# KiCad board panel.kicad_pcb (continued)
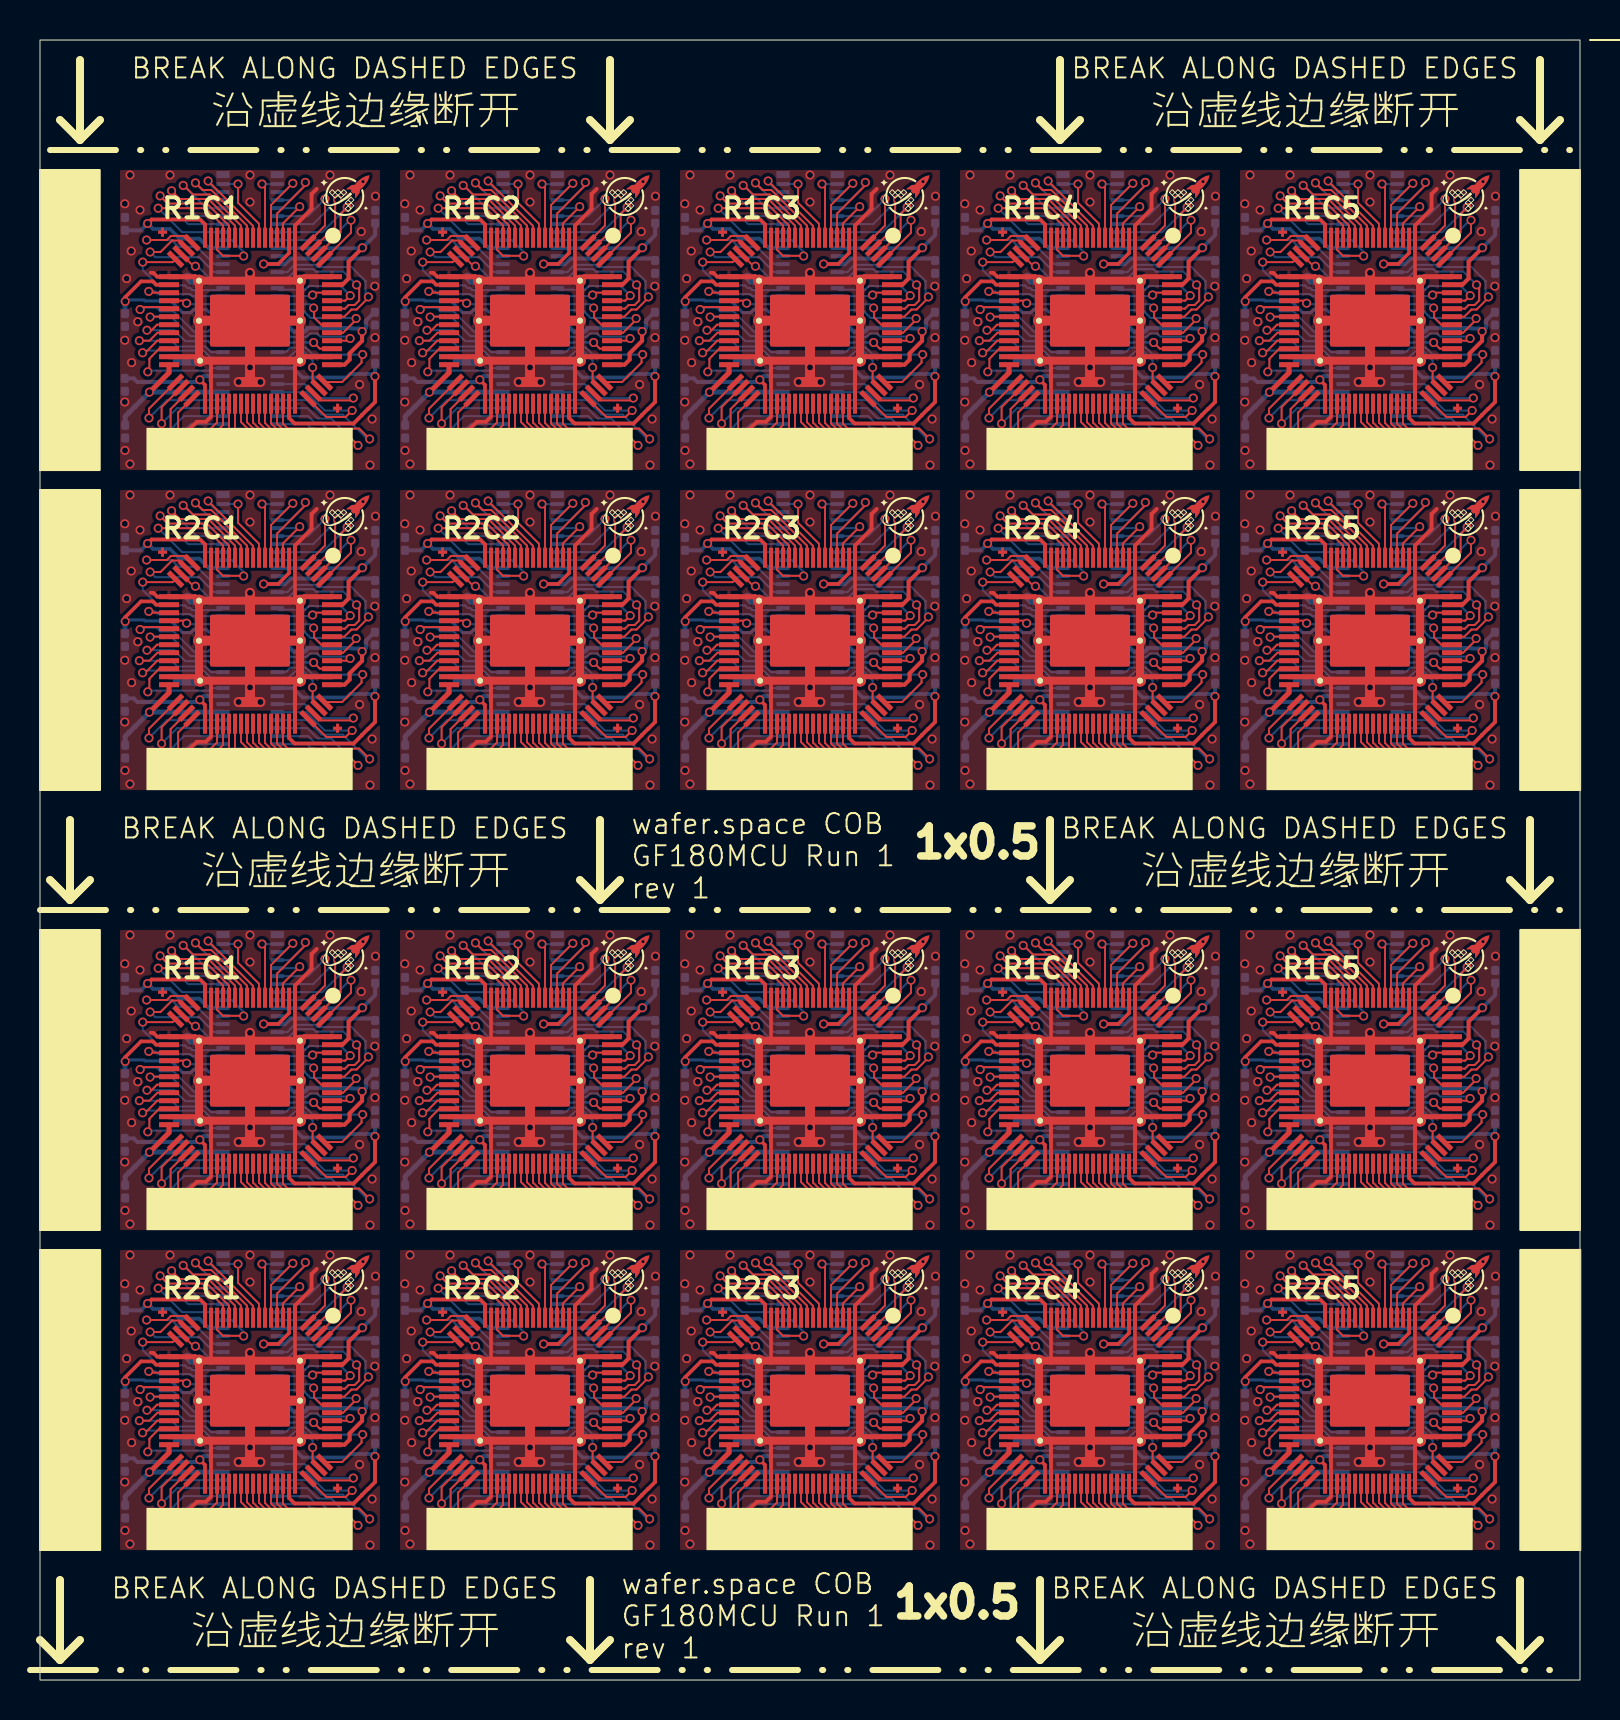
[diagram p0: board, top side]
## Nets (continued)
/bidir_44: U101.23 U101#2.23 U102.59 U102#2.59 U103.23 U103#2.23 U104.59 U104#2.59 U105.23 U105#2.23 U106.59 U106#2.59 U107.23 U107#2.23 U108.59 U108#2.59 U109.23 U109#2.23 U110.59 U110#2.59 U111.23 U111#2.23 U112.59 U112#2.59 U113.23 U113#2.23 U114.59 U114#2.59 U115.23 U115#2.23 U116.59 U116#2.59 U117.23 U117#2.23 U118.59 U118#2.59 U119.23 U119#2.23 U120.59 U120#2.59
/bidir_45: U101.22 U101#2.22 U102.60 U102#2.60 U103.22 U103#2.22 U104.60 U104#2.60 U105.22 U105#2.22 U106.60 U106#2.60 U107.22 U107#2.22 U108.60 U108#2.60 U109.22 U109#2.22 U110.60 U110#2.60 U111.22 U111#2.22 U112.60 U112#2.60 U113.22 U113#2.22 U114.60 U114#2.60 U115.22 U115#2.22 U116.60 U116#2.60 U117.22 U117#2.22 U118.60 U118#2.60 U119.22 U119#2.22 U120.60 U120#2.60
/clk: U101.8 U101#2.8 U102.1 U102#2.1 U103.8 U103#2.8 U104.1 U104#2.1 U105.8 U105#2.8 U106.1 U106#2.1 U107.8 U107#2.8 U108.1 U108#2.1 U109.8 U109#2.8 U110.1 U110#2.1 U111.8 U111#2.8 U112.1 U112#2.1 U113.8 U113#2.8 U114.1 U114#2.1 U115.8 U115#2.8 U116.1 U116#2.1 U117.8 U117#2.8 U118.1 U118#2.1 U119.8 U119#2.8 U120.1 U120#2.1
/in_0: U101.12 U101#2.12 U102.67 U102#2.67 U103.12 U103#2.12 U104.67 U104#2.67 U105.12 U105#2.12 U106.67 U106#2.67 U107.12 U107#2.12 U108.67 U108#2.67 U109.12 U109#2.12 U110.67 U110#2.67 U111.12 U111#2.12 U112.67 U112#2.67 U113.12 U113#2.12 U114.67 U114#2.67 U115.12 U115#2.12 U116.67 U116#2.67 U117.12 U117#2.12 U118.67 U118#2.67 U119.12 U119#2.12 U120.67 U120#2.67
/in_1: U101.13 U101#2.13 U102.68 U102#2.68 U103.13 U103#2.13 U104.68 U104#2.68 U105.13 U105#2.13 U106.68 U106#2.68 U107.13 U107#2.13 U108.68 U108#2.68 U109.13 U109#2.13 U110.68 U110#2.68 U111.13 U111#2.13 U112.68 U112#2.68 U113.13 U113#2.13 U114.68 U114#2.68 U115.13 U115#2.13 U116.68 U116#2.68 U117.13 U117#2.13 U118.68 U118#2.68 U119.13 U119#2.13 U120.68 U120#2.68
/in_2: U101.14 U101#2.14 U102.69 U102#2.69 U103.14 U103#2.14 U104.69 U104#2.69 U105.14 U105#2.14 U106.69 U106#2.69 U107.14 U107#2.14 U108.69 U108#2.69 U109.14 U109#2.14 U110.69 U110#2.69 U111.14 U111#2.14 U112.69 U112#2.69 U113.14 U113#2.14 U114.69 U114#2.69 U115.14 U115#2.14 U116.69 U116#2.69 U117.14 U117#2.14 U118.69 U118#2.69 U119.14 U119#2.14 U120.69 U120#2.69
/in_3: U101.15 U101#2.15 U102.70 U102#2.70 U103.15 U103#2.15 U104.70 U104#2.70 U105.15 U105#2.15 U106.70 U106#2.70 U107.15 U107#2.15 U108.70 U108#2.70 U109.15 U109#2.15 U110.70 U110#2.70 U111.15 U111#2.15 U112.70 U112#2.70 U113.15 U113#2.15 U114.70 U114#2.70 U115.15 U115#2.15 U116.70 U116#2.70 U117.15 U117#2.15 U118.70 U118#2.70 U119.15 U119#2.15 U120.70 U120#2.70
/rst_n: U101.7 U101#2.7 U102.2 U102#2.2 U103.7 U103#2.7 U104.2 U104#2.2 U105.7 U105#2.7 U106.2 U106#2.2 U107.7 U107#2.7 U108.2 U108#2.2 U109.7 U109#2.7 U110.2 U110#2.2 U111.7 U111#2.7 U112.2 U112#2.2 U113.7 U113#2.7 U114.2 U114#2.2 U115.7 U115#2.7 U116.2 U116#2.2 U117.7 U117#2.7 U118.2 U118#2.2 U119.7 U119#2.7 U120.2 U120#2.2
PWR_AUX_0: C105.1 C105#2.1 C113.1 C113#2.1 C121.1 C121#2.1 C129.1 C129#2.1 C137.1 C137#2.1 C145.1 C145#2.1 C153.1 C153#2.1 C161.1 C161#2.1 C169.1 C169#2.1 C177.1 C177#2.1 U101.54 U101#2.54 U102.26 U102#2.26 U103.54 U103#2.54 U104.26 U104#2.26 U105.54 U105#2.54 U106.26 U106#2.26 U107.54 U107#2.54 U108.26 U108#2.26 U109.54 U109#2.54 U110.26 U110#2.26 U111.54 U111#2.54 U112.26 U112#2.26 U113.54 U113#2.54 U114.26 U114#2.26 U115.54 U115#2.54 U116.26 U116#2.26 U117.54 U117#2.54 U118.26 U118#2.26 U119.54 U119#2.54 U120.26 U120#2.26
PWR_AUX_1: C106.1 C106#2.1 C114.1 C114#2.1 C122.1 C122#2.1 C130.1 C130#2.1 C138.1 C138#2.1 C146.1 C146#2.1 C154.1 C154#2.1 C162.1 C162#2.1 C170.1 C170#2.1 C178.1 C178#2.1 U101.19 U101#2.19 U102.61 U102#2.61 U103.19 U103#2.19 U104.61 U104#2.61 U105.19 U105#2.19 U106.61 U106#2.61 U107.19 U107#2.19 U108.61 U108#2.61 U109.19 U109#2.19 U110.61 U110#2.61 U111.19 U111#2.19 U112.61 U112#2.61 U113.19 U113#2.19 U114.61 U114#2.61 U115.19 U115#2.19 U116.61 U116#2.61 U117.19 U117#2.19 U118.61 U118#2.61 U119.19 U119#2.19 U120.61 U120#2.61

## Via types
v1: diameter 0.45, hole 0.3, Top to Bottom, 1880 vias

## Routing (per net, layer and track width the routed paths; a pad name or vN(x,y) marks a point on that pad's centre or on a via; arc(x,y) is an arc through that point)
GND: length 1105.2
  Top w0.18: U104.75 26.75,70.22 U104.5 ; U110#2.25 61.87,32.17 61.86,32.16 61.67,32.36 61.53,32.36 ; U108#2.75 54.75,70.22 U108#2.5 ; 26.75,56.11 26.75,54.22 U114.75 ; 64.55,18.11 64.55,16 ; U112#2.75 12.75,16.22 12.75,18.11 ; 68.75,34.11 68.75,32.22 U110#2.75 ; 26.75,34.11 26.75,32.22 U104#2.75 ; 61.53,54.36 61.67,54.36 61.86,54.16 61.87,54.17 U120#2.25 ; U104.25 19.87,70.16 19.86,70.16 19.67,70.36 19.53,70.36 ; U106.25 33.87,70.16 33.86,70.16 33.67,70.36 33.53,70.36 ; U102#2.75 12.75,70.22 U102#2.5 ; U104#2.25 19.87,32.17 19.86,32.16 19.67,32.36 19.53,32.36 ; 40.75,56.11 40.75,54.22 U116.75 ; 12.75,56.11 12.75,54.22 U112.75 ; 36.55,56.11 36.55,54 ; 5.53,32.36 5.67,32.36 5.86,32.16 5.87,32.17 U102.25 ; 47.53,16.36 47.67,16.36 47.86,16.16 47.87,16.17 U118#2.25 ; U118.25 47.87,54.17 47.86,54.16 47.67,54.36 47.53,54.36 ; 61.53,16.36 61.67,16.36 61.86,16.16 61.87,16.17 U120.25 ; 22.55,56.11 22.55,54 ; 61.53,70.36 61.67,70.36 61.86,70.16 61.87,70.16 U110.25 ; 8.55,34.11 8.55,32 ; U116.25 33.87,54.17 33.86,54.16 33.67,54.36 33.53,54.36 ; U110.75 68.75,70.22 U110.5 ; U106.5 40.75,70.22 U106.75 ; 19.53,54.36 19.67,54.36 19.86,54.16 19.87,54.17 U114.25 ; 12.75,34.11 12.75,32.22 U102.75 ; 50.55,34.11 50.55,32 ; 36.55,34.11 36.55,32 ; U116#2.75 40.75,16.22 40.75,18.11 ; 22.55,34.11 22.55,32 ; U102#2.19 8.55,70 ; U108#2.19 50.55,70 ; 33.53,16.36 33.67,16.36 33.86,16.16 33.87,16.17 U116#2.25 ; U110.19 64.55,70 ; 19.53,16.36 19.67,16.36 19.86,16.16 19.87,16.17 U114#2.25 ; 36.55,18.11 36.55,16 ; U106#2.25 33.87,32.17 33.86,32.16 33.67,32.36 33.53,32.36 ; U106.19 36.55,70 ; 40.75,34.11 40.75,32.22 U106#2.75 ; 54.75,34.11 54.75,32.22 U108.75 ; 50.55,56.11 50.55,54 ; 47.53,70.36 47.67,70.36 47.86,70.16 47.87,70.16 U108#2.25 ; U108.25 47.87,32.17 47.86,32.16 47.67,32.36 47.53,32.36 ; U120#2.75 68.75,54.22 68.75,56.11 ; U120.75 68.75,16.22 68.75,18.11 ; 5.53,54.36 5.67,54.36 5.86,54.16 5.87,54.17 U112.25 ; U118.75 54.75,54.22 54.75,56.11 ; 5.53,16.36 5.67,16.36 5.86,16.16 5.87,16.17 U112#2.25 ; 8.55,18.11 8.55,16 ; 54.75,18.11 54.75,16.22 U118#2.75 ; 26.75,18.11 26.75,16.22 U114#2.75 ; U102#2.25 5.87,70.16 5.86,70.16 5.67,70.36 5.53,70.36 ; 50.55,18.11 50.55,16 ; 8.55,56.11 8.55,54 ; 22.55,18.11 22.55,16 ; U104.19 22.55,70 ; 64.55,56.11 64.55,54 ; 64.55,34.11 64.55,32
  Top w0.19: 7.06,23.4 7.42,23.76 7.42,24.49 7.84,24.91 8.29,24.91 8.55,25.17 U102.42 8.55,27.93 ; 21.06,61.4 21.42,61.76 21.42,62.49 21.84,62.91 22.29,62.91 22.55,63.17 U104.42 22.55,65.93 ; 36.55,65.93 U106.42 36.55,63.17 36.29,62.91 35.84,62.91 35.42,62.49 35.42,61.76 35.06,61.4 ; 49.06,45.4 49.42,45.76 49.42,46.49 49.84,46.91 50.29,46.91 50.55,47.17 U118.42 50.55,49.93 ; 64.55,65.93 U110.42 64.55,63.17 64.29,62.91 63.84,62.91 63.42,62.49 63.42,61.76 63.06,61.4 ; 63.06,45.4 63.42,45.76 63.42,46.49 63.84,46.91 64.29,46.91 64.55,47.17 U120#2.42 64.55,49.93 ; 63.06,7.4 63.42,7.76 63.42,8.49 63.84,8.91 64.29,8.91 64.55,9.17 U120.42 64.55,11.93 ; 35.06,45.4 35.42,45.76 35.42,46.49 35.84,46.91 36.29,46.91 36.55,47.17 U116.42 36.55,49.93 ; 22.55,27.93 U104#2.42 22.55,25.17 22.29,24.91 21.84,24.91 21.42,24.49 21.42,23.76 21.06,23.4 ; 8.55,49.93 U112.42 8.55,47.17 8.29,46.91 7.84,46.91 7.42,46.49 7.42,45.76 7.06,45.4 ; 36.55,27.93 U106#2.42 36.55,25.17 36.29,24.91 35.84,24.91 35.42,24.49 35.42,23.76 35.06,23.4 ; 35.06,7.4 35.42,7.76 35.42,8.49 35.84,8.91 36.29,8.91 36.55,9.17 U116#2.42 36.55,11.93 ; 8.55,11.93 U112#2.42 8.55,9.17 8.29,8.91 7.84,8.91 7.42,8.49 7.42,7.76 7.06,7.4 ; 8.55,65.93 U102#2.42 8.55,63.17 8.29,62.91 7.84,62.91 7.42,62.49 7.42,61.76 7.06,61.4 ; 22.55,11.93 U114#2.42 22.55,9.17 22.29,8.91 21.84,8.91 21.42,8.49 21.42,7.76 21.06,7.4 ; 63.06,23.4 63.42,23.76 63.42,24.49 63.84,24.91 64.29,24.91 64.55,25.17 U110#2.42 64.55,27.93 ; 22.55,49.93 U114.42 22.55,47.17 22.29,46.91 21.84,46.91 21.42,46.49 21.42,45.76 21.06,45.4 ; 49.06,7.4 49.42,7.76 49.42,8.49 49.84,8.91 50.29,8.91 50.55,9.17 U118#2.42 50.55,11.93 ; 49.06,61.4 49.42,61.76 49.42,62.49 49.84,62.91 50.29,62.91 50.55,63.17 U108#2.42 50.55,65.93 ; 49.06,23.4 49.42,23.76 49.42,24.49 49.84,24.91 50.29,24.91 50.55,25.17 U108.42 50.55,27.93
  Top w0.2: 27.83,36.55 27.58,36.3 27.58,35.55 26.75,34.72 26.75,34.11 ; 69.83,58.55 69.58,58.3 69.58,57.55 68.75,56.72 68.75,56.11 ; 36.55,11.93 36.59,11.97 ; U106.5 40.75,72.72 41.58,73.55 41.58,74.3 41.83,74.55 ; 8.55,49.93 8.59,49.97 ; U110#2.75 68.75,27.72 U110#2.56 ; 27.83,58.55 27.58,58.3 27.58,57.55 26.75,56.72 26.75,56.11 ; U104#2.56 26.75,27.72 U104#2.75 ; U104.75 26.75,65.72 U104.56 ; 69.83,20.55 69.58,20.3 69.58,19.55 68.75,18.72 68.75,18.11 ; 64.55,27.93 64.59,27.97 ; 13.83,20.55 13.58,20.3 13.58,19.55 12.75,18.72 12.75,18.11 ; 64.55,16 64.58,15.97 ; 13.83,74.55 13.58,74.3 13.58,73.55 12.75,72.72 U102#2.5 ; U102.56 12.75,27.72 U102.75 ; 54.75,18.11 54.75,18.72 55.58,19.55 55.58,20.3 55.83,20.55 ; 50.55,54 50.58,53.97 ; U104.5 26.75,72.72 27.58,73.55 27.58,74.3 27.83,74.55 ; 40.75,18.11 40.75,18.72 41.58,19.55 41.58,20.3 41.83,20.55 ; 68.75,34.11 68.75,34.72 69.58,35.55 69.58,36.3 69.83,36.55 ; U112#2.56 12.75,11.72 U112#2.75 ; 64.55,49.93 64.59,49.97 ; 22.55,49.93 22.59,49.97 ; U108#2.75 54.75,65.72 U108#2.56 ; 50.55,16 50.58,15.97 ; 8.55,65.93 8.59,65.97 ; U114#2.56 26.75,11.72 U114#2.75 ; 22.55,65.93 22.59,65.97 ; 64.55,70 64.58,69.97 ; 64.55,54 64.58,53.97 ; U120.56 68.75,11.72 U120.75 ; U118.75 54.75,49.72 U118.56 ; 36.55,49.93 36.59,49.97 ; U110.5 68.75,72.72 69.58,73.55 69.58,74.3 69.83,74.55 ; U120#2.75 68.75,49.72 U120#2.56 ; U110.56 68.75,65.72 U110.75 ; U108.75 54.75,27.72 U108.56 ; 41.83,36.55 41.58,36.3 41.58,35.55 40.75,34.72 40.75,34.11 ; 54.75,56.11 54.75,56.72 55.58,57.55 55.58,58.3 55.83,58.55 ; U118#2.56 54.75,11.72 U118#2.75 ; 50.55,49.93 50.59,49.97 ; 22.55,16 22.58,15.97 ; 8.55,70 8.58,69.97 ; 12.75,34.11 12.75,34.72 13.58,35.55 13.58,36.3 13.83,36.55 ; U114.75 26.75,49.72 U114.56 ; 36.55,16 36.58,15.97 ; 50.55,32 50.58,31.97 ; U106#2.75 40.75,27.72 U106#2.56 ; 22.55,32 22.58,31.97 ; U116#2.56 40.75,11.72 U116#2.75 ; U102#2.75 12.75,65.72 U102#2.56 ; 8.55,16 8.58,15.97 ; 22.55,70 22.58,69.97 ; 55.83,74.55 55.58,74.3 55.58,73.55 54.75,72.72 U108#2.5 ; 27.83,20.55 27.58,20.3 27.58,19.55 26.75,18.72 26.75,18.11 ; 50.55,70 50.58,69.97 ; 8.55,54 8.58,53.97 ; 8.55,32 8.58,31.97 ; 13.83,58.55 13.58,58.3 13.58,57.55 12.75,56.72 12.75,56.11 ; U116.75 40.75,49.72 U116.56 ; 50.55,11.93 50.59,11.97 ; 64.55,11.93 64.59,11.97 ; 36.55,65.93 36.59,65.97 ; 41.83,58.55 41.58,58.3 41.58,57.55 40.75,56.72 40.75,56.11 ; U106.75 40.75,65.72 U106.56 ; 36.55,32 36.58,31.97 ; 54.75,34.11 54.75,34.72 55.58,35.55 55.58,36.3 55.83,36.55 ; 8.55,11.93 8.59,11.97 ; 64.55,32 64.58,31.97 ; 36.55,54 36.58,53.97 ; 8.55,27.93 8.59,27.97 ; 50.55,65.93 50.59,65.97 ; U112.75 12.75,49.72 U112.56 ; 36.55,70 36.58,69.97 ; 22.55,11.93 22.59,11.97 ; 22.55,27.93 22.59,27.97 ; 22.55,54 22.58,53.97 ; 36.55,27.93 36.59,27.97 ; 64.55,65.93 64.59,65.97 ; 50.55,27.93 50.59,27.97
  Top w0.25: U108#2.75 55.2,66.16 U108#2.62 ; U120.75 69.2,16.17 U120.72 ; U110#2.75 63.8,28.17 U110#2.35 ; U118#2.62 55.2,12.17 U118#2.75 ; U116#2.75 35.8,12.17 U116#2.35 ; U102.35 7.8,28.17 U102.75 ; U102#2.62 13.2,66.16 U102#2.75 ; U118.75 55.2,54.17 U118.72 ; U110#2.75 69.2,28.17 U110#2.62 ; U116#2.75 41.2,16.17 U116#2.72 ; U118#2.75 55.2,16.17 U118#2.72 ; U104.75 27.2,66.16 U104.62 ; U118#2.75 49.75,16.17 U118#2.25 ; U108.72 55.2,32.17 U108.75 ; U116#2.75 35.75,16.17 U116#2.25 ; U112.25 7.75,54.17 U112.75 ; U112#2.75 13.2,16.17 U112#2.72 ; U102.75 13.2,28.17 U102.62 ; U106.62 41.2,66.16 U106.75 ; U116.72 41.2,54.17 U116.75 ; U110#2.75 69.2,32.17 U110#2.72 ; U120#2.75 69.2,50.17 U120#2.62 ; U102.25 7.75,32.17 U102.75 ; U120.75 63.75,16.17 U120.25 ; U118.75 55.2,50.17 U118.62 ; U108#2.75 49.75,70.16 U108#2.25 ; U106#2.35 35.8,28.17 U106#2.75 ; U114.75 27.2,50.17 U114.62 ; U106#2.62 41.2,28.17 U106#2.75 ; U104#2.75 21.8,28.17 U104#2.35 ; U110.35 63.8,66.16 U110.75 ; U112#2.62 13.2,12.17 U112#2.75 ; U114#2.72 27.2,16.17 U114#2.75 ; U104.75 27.2,70.16 U104.72 ; U106.25 35.75,70.16 U106.75 ; U108.35 49.8,28.17 U108.75 ; U108#2.75 55.2,70.16 U108#2.72 ; U120#2.75 69.2,54.17 U120#2.72 ; U120#2.35 63.8,50.17 U120#2.75 ; U104#2.62 27.2,28.17 U104#2.75 ; U114.35 21.8,50.17 U114.75 ; U104.75 21.75,70.16 U104.25 ; U102#2.72 13.2,70.16 U102#2.75 ; U102#2.35 7.8,66.16 U102#2.75 ; U104#2.75 27.2,32.17 U104#2.72 ; U106#2.75 35.75,32.17 U106#2.25 ; U114#2.35 21.8,12.17 U114#2.75 ; U106.72 41.2,70.16 U106.75 ; U118.75 49.75,54.17 U118.25 ; U114#2.25 21.75,16.17 U114#2.75 ; U104.35 21.8,66.16 U104.75 ; U112.72 13.2,54.17 U112.75 ; U110.72 69.2,70.16 U110.75 ; U108#2.35 49.8,66.16 U108#2.75 ; U102#2.75 7.75,70.16 U102#2.25 ; U112#2.35 7.8,12.17 U112#2.75 ; U114#2.75 27.2,12.17 U114#2.62 ; U110#2.25 63.75,32.17 U110#2.75 ; U110.25 63.75,70.16 U110.75 ; U112.62 13.2,50.17 U112.75 ; U108.62 55.2,28.17 U108.75 ; U114.75 21.75,54.17 U114.25 ; U120.75 69.2,12.17 U120.62 ; U108.25 49.75,32.17 U108.75 ; U118.75 49.8,50.17 U118.35 ; U112#2.25 7.75,16.17 U112#2.75 ; U120.75 63.8,12.17 U120.35 ; U106.35 35.8,66.16 U106.75 ; U116.75 35.8,50.17 U116.35 ; U106#2.72 41.2,32.17 U106#2.75 ; U102.72 13.2,32.17 U102.75 ; U104#2.25 21.75,32.17 U104#2.75 ; U118#2.35 49.8,12.17 U118#2.75 ; U120#2.25 63.75,54.17 U120#2.75 ; U116#2.75 41.2,12.17 U116#2.62 ; U116.62 41.2,50.17 U116.75 ; U114.72 27.2,54.17 U114.75 ; U110.75 69.2,66.16 U110.62 ; U112.75 7.8,50.17 U112.35 ; U116.25 35.75,54.17 U116.75
  Top w0.4: 22.59,49.97 U114.75 U114.75 U114.75 21.95,50.02 U114.75 22.59,49.97 ; 7.95,12.02 U112#2.75 U112#2.75 U112#2.75 U112#2.75 7.95,12.02 ; U118#2.75 U118#2.75 U118#2.75 49.95,12.02 U118#2.75 U118#2.75 ; 64.58,31.97 U110#2.75 63.95,28.02 U110#2.75 U110#2.75 U110#2.75 64.58,31.97 ; U106#2.75 U106#2.75 35.95,28.02 U106#2.75 U106#2.75 U106#2.75 ; U120.75 U120.75 63.95,12.02 U120.75 U120.75 U120.75 ; U104.75 U104.75 21.95,66.02 U104.75 U104.75 U104.75 ; U106.75 U106.75 U106.75 35.95,66.02 U106.75 U106.75 ; U116#2.75 U116#2.75 U116#2.75 U116#2.75 35.95,12.02 U116#2.75 ; U102.75 U102.75 7.95,28.02 U102.75 U102.75 U102.75 ; 49.95,28.02 U108.75 U108.75 U108.75 U108.75 49.95,28.02 ; 8.59,49.97 U112.75 U112.75 U112.75 7.95,50.02 U112.75 8.59,49.97 ; U104#2.75 U104#2.75 21.95,28.02 U104#2.75 U104#2.75 U104#2.75 ; 8.58,69.97 U102#2.75 7.95,66.02 U102#2.75 U102#2.75 U102#2.75 8.58,69.97 ; 64.58,69.97 U110.75 63.95,66.02 U110.75 U110.75 U110.75 64.58,69.97 ; U120#2.75 63.95,50.02 U120#2.75 U120#2.75 U120#2.75 U120#2.75 ; U108#2.75 U108#2.75 U108#2.75 49.95,66.02 U108#2.75 U108#2.75 ; U114#2.75 U114#2.75 21.95,12.02 U114#2.75 U114#2.75 U114#2.75 ; 50.58,53.97 U118.75 49.95,50.02 U118.75 U118.75 U118.75 50.58,53.97 ; U116.75 U116.75 U116.75 U116.75 35.95,50.02 U116.75
  Top w0.5: 10.5,26.9 v1(11.02,26.9) ; 10.5,26.9 v1(9.93,26.9) ; 10.5,26.9 v1(10.5,27.63) v1(10.5,32.36) ; v1(66.5,54.36) v1(66.5,49.63) 66.5,48.9 ; v1(51.93,48.9) 52.5,48.9 ; 52.5,48.9 v1(53.02,48.9) ; 52.5,48.9 v1(52.5,49.63) v1(52.5,54.36) ; U120#2.75 U120#2.75 ; v1(38.5,70.36) v1(38.5,65.63) 38.5,64.9 ; 66.5,26.9 v1(67.02,26.9) ; 66.5,26.9 v1(65.93,26.9) ; 66.5,26.9 v1(66.5,27.63) v1(66.5,32.36) ; U120.75 U120.75 ; v1(37.93,48.9) 38.5,48.9 ; 38.5,48.9 v1(39.02,48.9) ; 38.5,48.9 v1(38.5,49.63) v1(38.5,54.36) ; v1(37.93,64.9) 38.5,64.9 ; 38.5,64.9 v1(39.02,64.9) ; 66.5,48.9 v1(67.02,48.9) ; 66.5,48.9 v1(65.93,48.9) ; U104.75 U104.75 ; U102#2.75 U102#2.75 ; 24.5,26.9 v1(25.02,26.9) ; 24.5,26.9 v1(24.5,27.63) v1(24.5,32.36) ; 24.5,26.9 v1(23.93,26.9) ; v1(65.93,10.9) 66.5,10.9 ; 66.5,10.9 v1(67.02,10.9) ; 66.5,10.9 v1(66.5,11.63) v1(66.5,16.36) ; 38.5,26.9 v1(38.5,27.63) v1(38.5,32.36) ; 38.5,26.9 v1(37.93,26.9) ; 38.5,26.9 v1(39.02,26.9) ; 24.5,48.9 v1(25.02,48.9) ; 24.5,48.9 v1(24.5,49.63) v1(24.5,54.36) ; 24.5,48.9 v1(23.93,48.9) ; U112.75 U112.75 ; 10.5,48.9 v1(10.5,49.63) v1(10.5,54.36) ; 10.5,48.9 v1(9.93,48.9) ; 10.5,48.9 v1(11.02,48.9) ; v1(37.93,10.9) 38.5,10.9 ; 38.5,10.9 v1(39.02,10.9) ; 38.5,10.9 v1(38.5,11.63) v1(38.5,16.36) ; v1(51.93,10.9) 52.5,10.9 ; 52.5,10.9 v1(53.02,10.9) ; 52.5,10.9 v1(52.5,11.63) v1(52.5,16.36) ; U110.75 U110.75 ; 10.5,10.9 v1(10.5,11.63) v1(10.5,16.36) ; 10.5,10.9 v1(11.02,10.9) ; 10.5,10.9 v1(9.93,10.9) ; 24.5,10.9 v1(24.5,11.63) v1(24.5,16.36) ; 24.5,10.9 v1(23.93,10.9) ; 24.5,10.9 v1(25.02,10.9) ; U104#2.75 U104#2.75 ; v1(52.5,70.36) v1(52.5,65.63) 52.5,64.9 ; v1(52.5,32.36) v1(52.5,27.63) 52.5,26.9 ; 24.5,64.9 v1(25.02,64.9) ; 24.5,64.9 v1(23.93,64.9) ; 24.5,64.9 v1(24.5,65.63) v1(24.5,70.36) ; U116.75 U116.75 ; v1(66.5,70.36) v1(66.5,65.63) 66.5,64.9 ; 52.5,26.9 v1(51.93,26.9) ; 52.5,26.9 v1(53.02,26.9) ; 52.5,64.9 v1(53.02,64.9) ; 52.5,64.9 v1(51.93,64.9) ; U108.75 U108.75 ; U106#2.75 U106#2.75 ; 10.5,64.9 v1(10.5,65.63) v1(10.5,70.36) ; 10.5,64.9 v1(9.93,64.9) ; 10.5,64.9 v1(11.02,64.9) ; U112#2.75 U112#2.75 ; 66.5,64.9 v1(67.02,64.9) ; 66.5,64.9 v1(65.93,64.9) ; U114.75 U114.75 ; U106.75 U106.75 ; U118.75 U118.75 ; U118#2.75 U118#2.75 ; U102.75 U102.75 ; U110#2.75 U110#2.75 ; U108#2.75 U108#2.75 ; U114#2.75 U114#2.75 ; U116#2.75 U116#2.75
  Bottom w0.25: U105#2.53 35.98,68 U106.75 ; 6.9,11.97 6.89,11.97 ; 20.9,65.97 20.89,65.97 ; U102.75 7.98,30 U101.53 ; U102#2.75 7.98,68 U101#2.53 ; 34.9,11.97 34.89,11.97 ; 34.9,27.97 34.89,27.97 ; U111.53 7.98,52 U112.75 ; U114#2.75 21.98,14 U113#2.53 ; U115.53 35.98,52 U116.75 ; U106#2.75 35.98,30 U105.53 ; U107.53 49.98,30 U108.75 ; U109#2.53 63.98,30 U110#2.75 ; 48.9,49.97 48.89,49.97 ; 34.9,49.97 34.89,49.97 ; 48.9,11.97 48.89,11.97 ; U115#2.53 35.98,14 U116#2.75 ; U103#2.53 21.98,30 U104#2.75 ; 34.9,65.97 34.89,65.97 ; U118.75 49.98,52 U117#2.53 ; U113.53 21.98,52 U114.75 ; 6.9,49.97 6.89,49.97 ; 62.9,65.97 62.89,65.97 ; U110.75 63.98,68 U109.53 ; 6.9,65.97 6.89,65.97 ; U111#2.53 7.98,14 U112#2.75 ; 6.9,27.97 6.89,27.97 ; 20.9,11.97 20.89,11.97 ; U120#2.75 63.98,52 U119#2.53 ; U108#2.75 49.98,68 U107#2.53 ; U120.75 63.98,14 U119.53 ; 62.9,49.97 62.89,49.97 ; 20.9,49.97 20.89,49.97 ; U104.75 21.98,68 U103.53 ; 62.9,11.97 62.89,11.97 ; U117.53 49.98,14 U118#2.75 ; 62.9,27.97 62.89,27.97 ; 48.9,65.97 48.89,65.97 ; 48.9,27.97 48.89,27.97 ; 20.9,27.97 20.89,27.97
  Bottom w0.4: 21.37,16.17 21.57,15.97 U114#2.75 ; U106#2.75 35.57,31.97 35.37,32.17 ; U108.75 49.57,31.97 49.37,32.17 ; 7.37,32.17 7.57,31.97 U102.75 ; 63.37,70.17 63.57,69.97 U110.75 ; 35.37,70.17 35.57,69.97 U106.75 ; U116.75 35.57,53.97 35.37,54.17 ; 21.37,32.17 21.57,31.97 U104#2.75 ; 7.37,70.17 7.57,69.97 U102#2.75 ; U108#2.75 49.57,69.97 49.37,70.17 ; U110#2.75 63.57,31.97 63.37,32.17 ; U112#2.75 7.57,15.97 7.37,16.17 ; 63.37,16.17 63.57,15.97 U120.75 ; 63.37,54.17 63.57,53.97 U120#2.75 ; U118.75 49.57,53.97 49.37,54.17 ; U118#2.75 49.57,15.97 49.37,16.17 ; U114.75 21.57,53.97 21.37,54.17 ; 21.37,70.17 21.57,69.97 U104.75 ; U112.75 7.57,53.97 7.37,54.17 ; 35.37,16.17 35.57,15.97 U116#2.75
  Bottom w0.5: U114#2.75 20.9,11.97 ; U118.75 48.9,49.97 ; U114.75 20.9,49.97 ; U106.75 34.9,65.97 ; U120.75 62.9,11.97 ; U112.75 6.9,49.97 ; U112#2.75 6.9,11.97 ; U104#2.75 20.9,27.97 ; U116.75 34.9,49.97 ; U118#2.75 48.9,11.97 ; U106#2.75 34.9,27.97 ; U110.75 62.9,65.97 ; U108#2.75 48.9,65.97 ; U110#2.75 62.9,27.97 ; U108.75 48.9,27.97 ; U102.75 6.9,27.97 ; U116#2.75 34.9,11.97 ; U102#2.75 6.9,65.97 ; U104.75 20.9,65.97 ; U120#2.75 62.9,49.97
  vias: v1(4.24,73.81) v1(4.24,66.99) v1(4.24,63.9) v1(4.25,61.48) v1(4.24,57.81) v1(4.24,50.99) v1(4.24,47.9) v1(4.25,45.48) v1(4.24,35.81) v1(4.24,28.99) v1(4.24,25.9) v1(4.25,23.48) v1(4.24,19.81) v1(4.24,12.99) v1(4.24,9.9) v1(4.25,7.48) v1(4.33,70.07) v1(4.33,54.07) v1(4.33,32.07) v1(4.33,16.07) v1(4.5,75.25) v1(4.5,60.8) v1(4.5,59.25) v1(4.5,44.8) v1(4.5,37.25) v1(4.5,22.8) v1(4.5,21.25) v1(4.5,6.8) v1(4.56,71.45) v1(4.58,65.87) v1(4.56,55.45) v1(4.58,49.87) v1(4.56,33.45) v1(4.58,27.87) v1(4.56,17.45) v1(4.58,11.87) v1(4.89,67.91) v1(4.89,51.91) v1(4.89,29.91) v1(4.89,13.91) v1(5,73.5) v1(5,57.5) v1(5,35.5) v1(5,19.5) v1(6.5,75.25) v1(6.5,59.25) v1(6.5,37.25) v1(6.5,21.25) v1(6.85,60.75) v1(6.85,44.75) v1(6.85,22.75) v1(6.85,6.75) v1(10.5,75.25) v1(10.5,73.9) v1(10.5,61.8) v1(10.5,60.8) v1(10.5,59.25) v1(10.5,57.9) v1(10.5,45.8) v1(10.5,44.8) v1(10.5,37.25) v1(10.5,35.9) v1(10.5,23.8) v1(10.5,22.8) v1(10.5,21.25) v1(10.5,19.9) v1(10.5,7.8) v1(10.5,6.8) v1(14.5,75.25) v1(14.5,60.75) v1(14.5,59.25) v1(14.5,44.75) v1(14.5,37.25) v1(14.5,22.75) v1(14.5,21.25) v1(14.5,6.75) v1(15.98,64.78) v1(15.98,48.78) v1(15.98,26.78) v1(15.98,10.78) v1(16.06,72.42) v1(16.06,56.42) v1(16.06,34.42) v1(16.06,18.42) v1(16.5,60.75) v1(16.5,44.75) v1(16.5,22.75) v1(16.5,6.75) v1(16.6,63.05) v1(16.6,47.05) v1(16.6,25.05) v1(16.6,9.05) v1(16.77,74.19) v1(16.74,69.69) v1(16.75,67.12) v1(16.77,58.19) v1(16.74,53.69) v1(16.75,51.12) v1(16.77,36.19) v1(16.74,31.69) v1(16.75,29.12) v1(16.77,20.19) v1(16.74,15.69) v1(16.75,13.12) v1(18.24,73.81) v1(18.24,66.99) v1(18.24,63.9) v1(18.25,61.48) v1(18.24,57.81) v1(18.24,50.99) v1(18.24,47.9) v1(18.25,45.48) v1(18.24,35.81) v1(18.24,28.99) v1(18.24,25.9) v1(18.25,23.48) v1(18.24,19.81) v1(18.24,12.99) v1(18.24,9.9) v1(18.25,7.48) v1(18.33,70.07) v1(18.33,54.07) v1(18.33,32.07) v1(18.33,16.07) v1(18.5,75.25) v1(18.5,60.8) v1(18.5,59.25) v1(18.5,44.8) v1(18.5,37.25) v1(18.5,22.8) v1(18.5,21.25) v1(18.5,6.8) v1(18.56,71.45) v1(18.58,65.87) v1(18.56,55.45) v1(18.58,49.87) v1(18.56,33.45) v1(18.58,27.87) v1(18.56,17.45) v1(18.58,11.87) v1(18.89,67.91) v1(18.89,51.91) v1(18.89,29.91) v1(18.89,13.91) v1(19,73.5) v1(19,57.5) v1(19,35.5) v1(19,19.5) v1(20.5,75.25) v1(20.5,59.25) v1(20.5,37.25) v1(20.5,21.25) v1(20.85,60.75) v1(20.85,44.75) v1(20.85,22.75) v1(20.85,6.75) v1(24.5,75.25) v1(24.5,73.9) v1(24.5,61.8) v1(24.5,60.8) v1(24.5,59.25) v1(24.5,57.9) v1(24.5,45.8) v1(24.5,44.8) v1(24.5,37.25) v1(24.5,35.9) v1(24.5,23.8) v1(24.5,22.8) v1(24.5,21.25) v1(24.5,19.9) v1(24.5,7.8) v1(24.5,6.8) v1(28.5,75.25) v1(28.5,60.75) v1(28.5,59.25) v1(28.5,44.75) v1(28.5,37.25) v1(28.5,22.75) v1(28.5,21.25) v1(28.5,6.75) v1(29.98,64.78) v1(29.98,48.78) v1(29.98,26.78) v1(29.98,10.78) v1(30.06,72.42) v1(30.06,56.42) v1(30.06,34.42) v1(30.06,18.42) v1(30.5,60.75) v1(30.5,44.75) v1(30.5,22.75) v1(30.5,6.75) v1(30.6,63.05) v1(30.6,47.05) v1(30.6,25.05) v1(30.6,9.05) v1(30.77,74.19) v1(30.74,69.69) v1(30.75,67.12) v1(30.77,58.19) v1(30.74,53.69) v1(30.75,51.12) v1(30.77,36.19) v1(30.74,31.69) v1(30.75,29.12) v1(30.77,20.19) v1(30.74,15.69) v1(30.75,13.12) v1(32.24,73.81) v1(32.24,66.99) v1(32.24,63.9) v1(32.25,61.48) v1(32.24,57.81) v1(32.24,50.99) v1(32.24,47.9) v1(32.25,45.48) v1(32.24,35.81) v1(32.24,28.99) v1(32.24,25.9) v1(32.25,23.48) v1(32.24,19.81) v1(32.24,12.99) v1(32.24,9.9) v1(32.25,7.48) v1(32.33,70.07) v1(32.33,54.07) v1(32.33,32.07) v1(32.33,16.07) v1(32.5,75.25) v1(32.5,60.8) v1(32.5,59.25) v1(32.5,44.8) v1(32.5,37.25) v1(32.5,22.8) v1(32.5,21.25) v1(32.5,6.8) v1(32.56,71.45) v1(32.58,65.87) v1(32.56,55.45) v1(32.58,49.87) v1(32.56,33.45) v1(32.58,27.87) v1(32.56,17.45) v1(32.58,11.87) v1(32.89,67.91) v1(32.89,51.91) v1(32.89,29.91) v1(32.89,13.91) v1(33,73.5) v1(33,57.5) v1(33,35.5) v1(33,19.5) v1(34.5,75.25) v1(34.5,59.25) v1(34.5,37.25) v1(34.5,21.25) v1(34.85,60.75) v1(34.85,44.75) v1(34.85,22.75) v1(34.85,6.75) v1(38.5,75.25) v1(38.5,73.9) v1(38.5,61.8) v1(38.5,60.8) v1(38.5,59.25) v1(38.5,57.9) v1(38.5,45.8) v1(38.5,44.8) v1(38.5,37.25) v1(38.5,35.9) v1(38.5,23.8) v1(38.5,22.8) v1(38.5,21.25) v1(38.5,19.9) v1(38.5,7.8) v1(38.5,6.8) v1(42.5,75.25) v1(42.5,60.75) v1(42.5,59.25) v1(42.5,44.75) v1(42.5,37.25) v1(42.5,22.75) v1(42.5,21.25) v1(42.5,6.75) v1(43.98,64.78) v1(43.98,48.78) v1(43.98,26.78) v1(43.98,10.78) v1(44.06,72.42) v1(44.06,56.42) v1(44.06,34.42) v1(44.06,18.42) v1(44.5,60.75) v1(44.5,44.75) v1(44.5,22.75) v1(44.5,6.75) v1(44.6,63.05) v1(44.6,47.05) v1(44.6,25.05) v1(44.6,9.05) v1(44.77,74.19) v1(44.74,69.69) v1(44.75,67.12) v1(44.77,58.19) v1(44.74,53.69) v1(44.75,51.12) v1(44.77,36.19) v1(44.74,31.69) v1(44.75,29.12) v1(44.77,20.19) v1(44.74,15.69) v1(44.75,13.12) v1(46.24,73.81) v1(46.24,66.99) v1(46.24,63.9) v1(46.25,61.48) v1(46.24,57.81) v1(46.24,50.99) v1(46.24,47.9) v1(46.25,45.48) v1(46.24,35.81) v1(46.24,28.99) v1(46.24,25.9) v1(46.25,23.48) v1(46.24,19.81) v1(46.24,12.99) v1(46.24,9.9) v1(46.25,7.48) v1(46.33,70.07) v1(46.33,54.07) v1(46.33,32.07) v1(46.33,16.07) v1(46.5,75.25) v1(46.5,60.8) v1(46.5,59.25) v1(46.5,44.8) v1(46.5,37.25) v1(46.5,22.8) v1(46.5,21.25) v1(46.5,6.8) v1(46.56,71.45) v1(46.58,65.87) v1(46.56,55.45) v1(46.58,49.87) v1(46.56,33.45) v1(46.58,27.87) v1(46.56,17.45) v1(46.58,11.87) v1(46.89,67.91) v1(46.89,51.91) v1(46.89,29.91) v1(46.89,13.91) v1(47,73.5) v1(47,57.5) v1(47,35.5) v1(47,19.5) v1(48.5,75.25) v1(48.5,59.25) v1(48.5,37.25) v1(48.5,21.25) v1(48.85,60.75) v1(48.85,44.75) v1(48.85,22.75) v1(48.85,6.75) v1(52.5,75.25) v1(52.5,73.9) v1(52.5,61.8) v1(52.5,60.8) v1(52.5,59.25) v1(52.5,57.9) v1(52.5,45.8) v1(52.5,44.8) v1(52.5,37.25) v1(52.5,35.9) v1(52.5,23.8) v1(52.5,22.8) v1(52.5,21.25) v1(52.5,19.9) v1(52.5,7.8) v1(52.5,6.8) v1(56.5,75.25) v1(56.5,60.75) v1(56.5,59.25) v1(56.5,44.75) v1(56.5,37.25) v1(56.5,22.75) v1(56.5,21.25) v1(56.5,6.75) v1(57.98,64.78) v1(57.98,48.78) v1(57.98,26.78) v1(57.98,10.78) v1(58.06,72.42) v1(58.06,56.42) v1(58.06,34.42) v1(58.06,18.42) v1(58.5,60.75) v1(58.5,44.75) v1(58.5,22.75) v1(58.5,6.75) v1(58.6,63.05) v1(58.6,47.05) v1(58.6,25.05) v1(58.6,9.05) v1(58.77,74.19) v1(58.74,69.69) v1(58.75,67.12) v1(58.77,58.19) v1(58.74,53.69) v1(58.75,51.12) v1(58.77,36.19) v1(58.74,31.69) v1(58.75,29.12) v1(58.77,20.19) v1(58.74,15.69) v1(58.75,13.12) v1(60.24,73.81) v1(60.24,66.99) v1(60.24,63.9) v1(60.25,61.48) v1(60.24,57.81) v1(60.24,50.99) v1(60.24,47.9) v1(60.25,45.48) v1(60.24,35.81) v1(60.24,28.99) v1(60.24,25.9) v1(60.25,23.48) v1(60.24,19.81) v1(60.24,12.99) v1(60.24,9.9) v1(60.25,7.48) v1(60.33,70.07) v1(60.33,54.07) v1(60.33,32.07) v1(60.33,16.07) v1(60.5,75.25) v1(60.5,60.8) v1(60.5,59.25) v1(60.5,44.8) v1(60.5,37.25) v1(60.5,22.8) v1(60.5,21.25) v1(60.5,6.8) v1(60.56,71.45) v1(60.58,65.87) v1(60.56,55.45) v1(60.58,49.87) v1(60.56,33.45) v1(60.58,27.87) v1(60.56,17.45) v1(60.58,11.87) v1(60.89,67.91) v1(60.89,51.91) v1(60.89,29.91) v1(60.89,13.91) v1(61,73.5) v1(61,57.5) v1(61,35.5) v1(61,19.5) v1(62.5,75.25) v1(62.5,59.25) v1(62.5,37.25) v1(62.5,21.25) v1(62.85,60.75) v1(62.85,44.75) v1(62.85,22.75) v1(62.85,6.75) v1(66.5,75.25) v1(66.5,73.9) v1(66.5,61.8) v1(66.5,60.8) v1(66.5,59.25) v1(66.5,57.9) v1(66.5,45.8) v1(66.5,44.8) v1(66.5,37.25) v1(66.5,35.9) v1(66.5,23.8) v1(66.5,22.8) v1(66.5,21.25) v1(66.5,19.9) v1(66.5,7.8) v1(66.5,6.8) v1(70.5,75.25) v1(70.5,60.75) v1(70.5,59.25) v1(70.5,44.75) v1(70.5,37.25) v1(70.5,22.75) v1(70.5,21.25) v1(70.5,6.75) v1(71.98,64.78) v1(71.98,48.78) v1(71.98,26.78) v1(71.98,10.78) v1(72.06,72.42) v1(72.06,56.42) v1(72.06,34.42) v1(72.06,18.42) v1(72.5,60.75) v1(72.5,44.75) v1(72.5,22.75) v1(72.5,6.75) v1(72.61,63.05) v1(72.61,47.05) v1(72.61,25.05) v1(72.61,9.05) v1(72.77,74.19) v1(72.74,69.69) v1(72.75,67.12) v1(72.77,58.19) v1(72.74,53.69) v1(72.75,51.12) v1(72.77,36.19) v1(72.74,31.69) v1(72.75,29.12) v1(72.77,20.19) v1(72.74,15.69) v1(72.75,13.12)
